# Allegro board Coral-Dev-Board-baseboard-layout-Allegro.brd (continued)
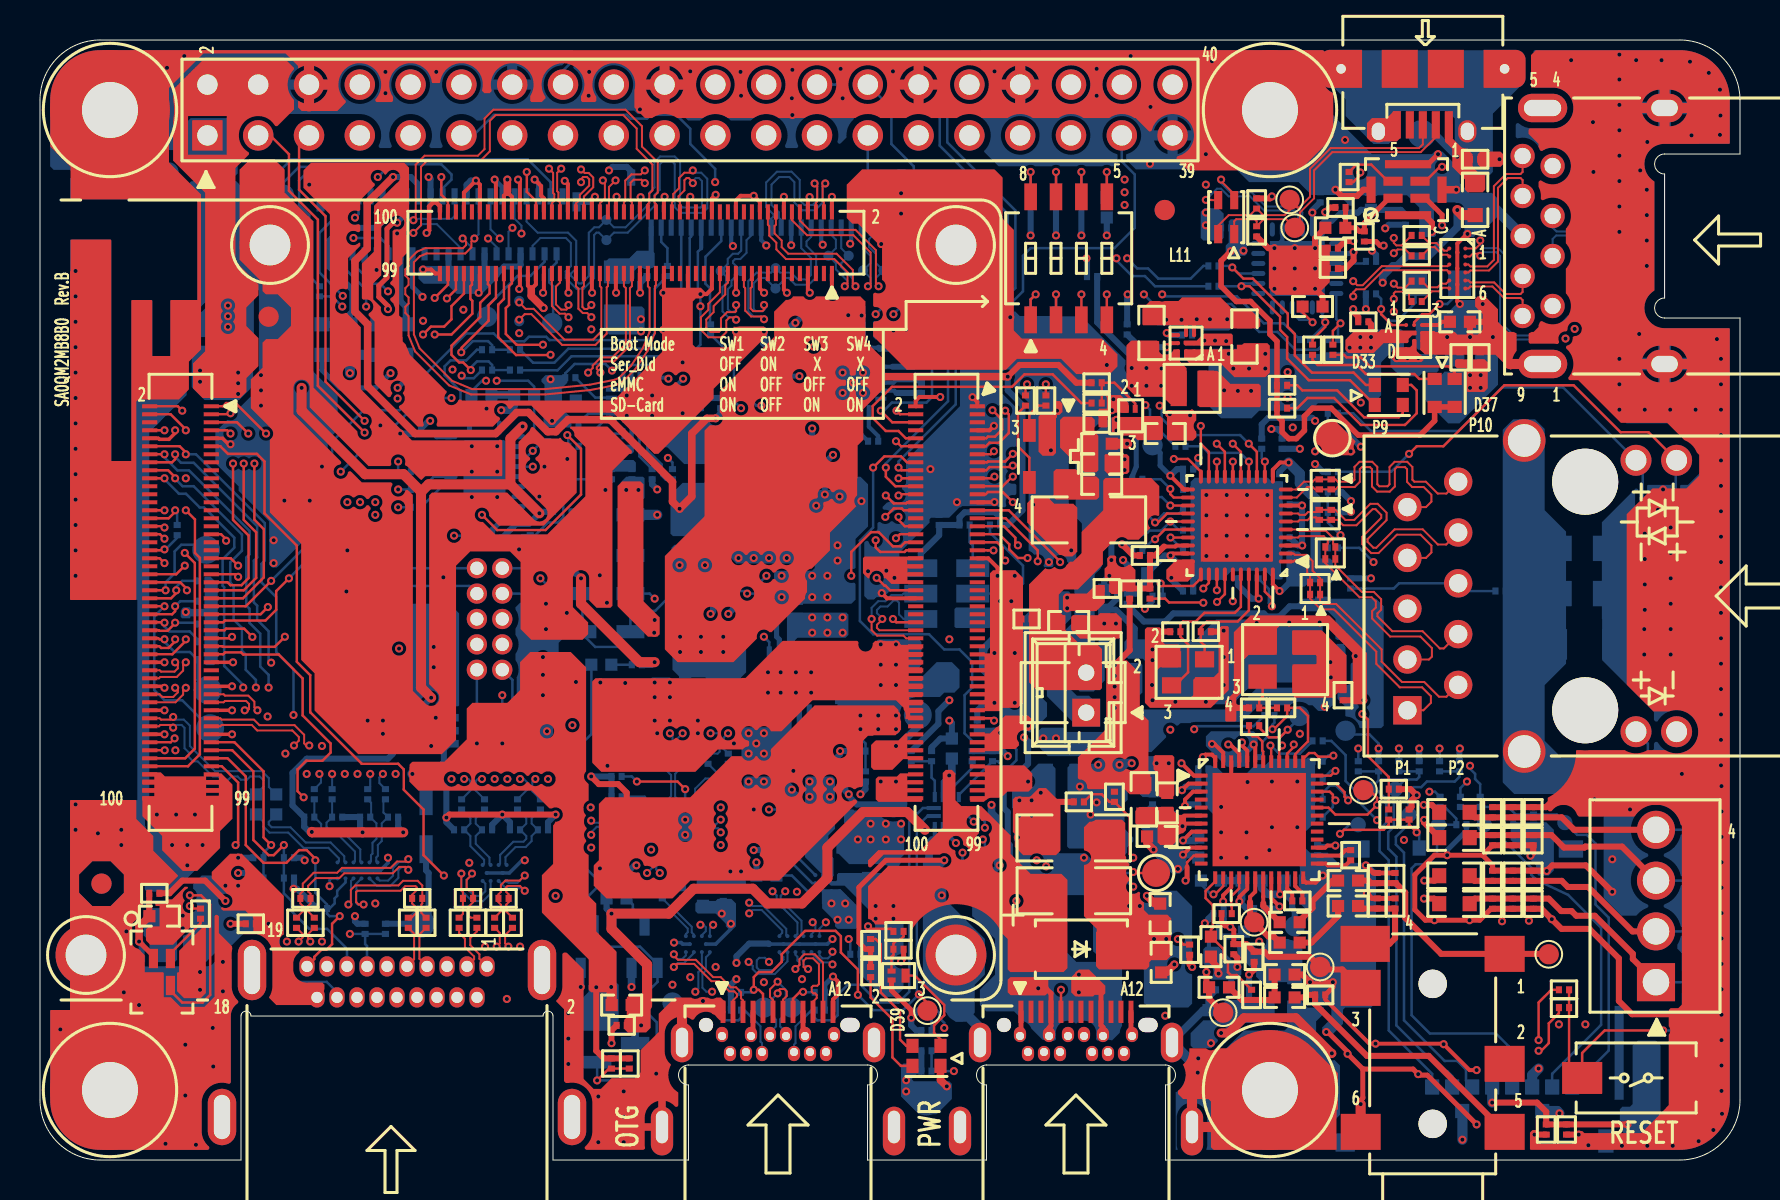
[diagram p0: board, top side]
## Routing (per net, layer and track width the routed paths; a pad name or vN(x,y) marks a point on that pad's centre or on a via; arc(x,y) is an arc through that point) (continued)
CC1: length 25.9
  TOP w0.127: v1(40.89,8.26) 40.89,9.53 40.04,10.38 40.04,11.19 39.78,11.46 38.25,11.46 37.08,10.29 37.08,9.91 36.58,9.4 35.94,9.4 35.69,9.14 v1(35.69,8.51) 35.94,8.51 36.15,8.3 J1.A5 ; TP26.1 44.37,7.85 v1(43.94,8.28)
  BOTTOM w0.127: U9.1 44.38,17.2 43.84,16.66 43.84,8.38 v1(43.94,8.28) 43.15,7.49 41.66,7.49 v1(40.89,8.26) ; v1(35.69,8.51) 35.56,8.38 ESD1.2
CC2: length 19.7
  BOTTOM w0.102: 38.12,7.03 37.78,6.69 37.78,5.84 37.7,5.77 J1.B5
  BOTTOM w0.127: U9.2 44.14,17.6 43.46,16.92 43.46,8.41 42.93,7.87 41.91,7.87 41.02,8.76 40.39,8.76 39.88,8.26 39.88,7.24 39.62,6.99 38.86,6.99 38.74,7.11 ESD2.2 38.58,7.49 38.12,7.03
CON_DET: length 2.2
  BOTTOM w0.127: U9.5 45.54,18.54 46.61,19.61 R4.1
CPN1: length 1.3
  TOP w0.203: C14.1 63.12,13.34 62.76,13.69 U2.23
CPN2: length 1.8
  TOP w0.203: U2.26 65,15.22 65.28,15.49 C15.1
CPP1: length 1.3
  TOP w0.203: C14.2 62.61,13.31 62.36,13.56 U2.22
CPP2: length 1.8
  TOP w0.203: U2.25 64.3,14.82 64.39,14.73 65.28,14.73 C15.2
CPVEE: length 1.9
  TOP w0.203: U2.27 64.26,15.62 64.37,15.72 v1(64.77,15.72)
  BOTTOM w0.127: C9.1 64.75,15.75 v1(64.77,15.72)
CPVPP: length 2.4
  TOP w0.203: v1(61.98,12.67) 61.56,13.09 U2.20
  BOTTOM w0.305: C6.1 61.87,12.57 v1(61.98,12.67)
DCDC_3V3: length 2.1
  BOTTOM w0.381: TP48.1 43.89,21.67 42.93,20.7 v1(42.8,20.7)
DCDC_5V: length 10.4
  TOP w0.203: v1(58.6,20.8) 58.73,20.8 59.16,20.37 U2.47 ; v1(60.68,20.78) 60.76,20.7 U2.43
  BOTTOM w0.305: R25.2 52.86,41.88 54.58,40.16 v1(54.58,39.6) ; R122.2 34.67,27.56 v1(34.42,27.3)
  BOTTOM w0.508: v1(15.49,39.34) R148.2 R149.2
  vias: v1(5.84,17.27) v1(6.6,15.75) v1(6.81,17.27) v1(7.37,15.75) v1(7.37,14.73) v1(7.75,17.27) v1(8.13,15.75) v1(9.4,42.72) v1(9.4,42.19) v1(9.4,41.66) v1(29.31,33.5) v1(29.92,33.5) v1(30.73,27) v1(30.71,26.37) v1(34.93,30.1) v1(35.43,21.34) v1(35.43,20.32) v1(35.69,30.1) v1(35.81,20.83) v1(36.2,21.34) v1(36.2,20.32) v1(36.45,30.1) v1(37.34,30.1) v1(38.61,27.13) v1(38.61,26.37) v1(39.37,27.13) v1(39.37,26.37) v1(40.13,27.13) v1(40.13,26.37) v1(51.99,18.67) v1(52.53,17.27) v1(52.83,17.88) v1(52.91,19.76) v1(53.21,26.82) v1(53.8,26.82) v1(53.98,19.76) v1(54.23,35.03) v1(54.23,34.5) v1(54.58,38.71) v1(54.58,19.84) v1(55.32,39.6) v1(55.32,38.71) v1(56.08,39.57) v1(56.06,38.71)
DCDC_5V_CN: length 4.7
  L06_SIG2 w0.305: v1(9.91,15.11) 10.03,14.99 v1(13.23,14.99)
  BOTTOM w0.305: R39.2 13.11,15.11 v1(13.23,14.99) ; R38.2 v1(9.91,15.11)
  vias: v1(9.27,13.72) v1(9.91,13.72) v1(11.43,11.81)
DCDC_5V_FT:
  vias: v1(8,39.47) v1(8,38.91) v1(9.91,39.37) v1(9.91,38.84) v1(9.91,38.3)
DCVDD: length 2
  TOP w0.203: U2.3 57.65,18.42 57.25,18.02 v1(57.25,17.7)
  BOTTOM w0.305: C41.1 57.33,17.78 v1(57.25,17.7)
DISP_LEDA: length 39.8
  TOP w0.381: v1(33.78,37.08) 33.35,37.08 32.59,36.32 32.59,33.17 v1(31.98,32.56) 31.62,32.92 31.62,33.91 28.51,37.02 26.4,37.02 25.8,36.41 25.38,36.41 24.42,37.38 23.84,37.38 22.79,36.32 18.75,36.32 16.38,38.68 16.38,41.78 15.75,42.42 15.75,44.96 16.36,45.57 16.36,47.85 v1(17.65,49.15)
  BOTTOM w0.305: v1(17.65,49.15) 18.54,49.15 18.93,48.76 P3.25 ; v1(33.78,37.08) 34.04,37.34 R134.2
DISP_LEDK1: length 18.8
  L06_SIG2 w0.152: v1(19.13,43.15) 19.13,43.09 19.52,42.7 19.84,42.7 20.47,42.06 21.76,42.06 23.96,39.86 24.04,39.86 25.26,38.63 28.38,38.63 29.22,39.47 31.75,39.47 v1(32.16,39.07)
  BOTTOM w0.203: v1(32.16,39.07) 31.61,38.52 U15.11
  BOTTOM w0.254: P3.26 18.63,43.65 v1(19.13,43.15)
DISP_LEDK2: length 23.3
  TOP w0.254: v1(17.86,46.86) 17.65,46.86 17.35,46.56 17.35,44.12 16.94,43.71 16.94,43.15 17.4,42.7 v1(17.4,42.55)
  L06_SIG2 w0.152: v1(31.42,39.07) 29.39,39.07 28.6,38.28 25.12,38.28 23.88,39.51 23.81,39.51 21.61,41.71 20.33,41.71 19.69,42.34 19.36,42.34 19.15,42.55 v1(17.4,42.55)
  BOTTOM w0.203: U15.10 31.37,39.12 v1(31.42,39.07)
  BOTTOM w0.254: v1(17.86,46.86) 18.33,47.33 P3.27
DISPLAY_I2C_SCL: length 9.9
  L03_SIG1 w0.102: v1(21.08,39.22) 20.57,38.71 v1(20.57,38.1)
  BOTTOM w0.127: v1(21.08,39.22) 21.21,39.09 21.69,39.09 R130.2 ; v1(20.57,38.1) 19.12,38.1 17.53,36.5 17.53,36.07 17.78,35.81 19.3,35.81 19.45,35.67 U20.18
DISPLAY_I2C_SCL_1V8: length 22.1
  L03_SIG1 w0.102: v1(15.75,47.12) 16.17,46.7 16.17,44.03 17.15,43.05 17.65,43.05 17.78,42.93 17.78,41.02 19.61,39.19 19.61,38.35 19.86,38.1 19.86,37.72 20.32,37.26 21.46,37.26 22.83,38.63 v1(22.83,38.96)
  BOTTOM w0.127: U20.3 24.24,35.67 24.71,36.14 R168.1 24.71,38.67 24.41,38.96 v1(22.83,38.96) ; P3.35 15.93,47.3 v1(15.75,47.12)
DISPLAY_I2C_SDA: length 5.8
  BOTTOM w0.127: U20.20 21.48,37.14 21.03,37.59 21.03,38.44 20.23,39.24 20.23,39.69 20.53,39.98 21.31,39.98 21.84,40.51 R133.2
DISPLAY_I2C_SDA_1V8: length 16.6
  L03_SIG1 w0.102: v1(17.4,43.43) 17.86,43.43 18.11,43.18 18.11,41.2 19.91,39.4 19.91,38.48 20.17,38.23 20.17,37.84 20.45,37.57 21.34,37.57 22.3,38.53 v1(22.3,38.96)
  BOTTOM w0.127: v1(22.3,38.96) 22.1,38.96 21.57,38.43 R167.1 21.57,37.74 22.15,37.16 22.66,37.16 22.98,36.84 U20.1 ; P3.36 15.63,44.82 16.64,43.81 17.02,43.81 v1(17.4,43.43)
DMIC_CLK: length 131.3
  TOP w0.127: U3.3 6.52,8.47 7.11,7.87 8.13,7.87 8.51,8.26 8.51,12.78 8.05,13.23 v1(7.49,13.23) ; v1(70.1,49.66) 69.99,49.66 69.27,48.94 U4.3 ; R208.2 60.96,21.62 61.45,21.13 62,21.13 v1(62.38,21.51)
  L06_SIG2 w0.102: v1(70.1,49.66) 66.85,49.66 66.35,50.16 65.84,50.16 65.63,49.96 65.63,48.41 66.17,47.88 67.31,47.88 68.35,46.84 68.35,42.09 67.06,40.79 67.06,34.42 66.42,33.78 66.42,30.63 65.79,30 65.79,28.07 66.29,27.56 66.29,24.23 65.43,23.37 65.43,22.53 65.13,22.23 62.76,22.23 62.38,21.84 v1(62.38,21.51) 62.54,21.51 62.74,21.72 64.95,21.72 65.18,21.49 65.18,21.31 64.8,20.93 64.8,20.73 65.18,20.35 65.18,20.17 66.4,18.95 66.4,17.88 65.81,17.3 63.98,17.3 63.07,18.21 62.69,18.21 62.26,17.78 61.72,17.78 61.29,18.21 59.64,18.21 59.44,18.41 58.52,18.41 57.48,19.46 54.28,19.46 53.11,18.29 52.63,18.29 51.94,17.6 51.94,16.26 51.51,15.82 51.51,14.81 50.72,14.02 48.72,14.02 48.34,13.64 45.69,13.64 45.39,13.94 39.11,13.94 36.52,11.35 32.85,11.35 32.34,11.86 28.33,11.86 24.19,16 13.36,16 12.8,16.56 9.53,16.56 9.09,16.13 9.09,14.76 7.56,13.23 v1(7.49,13.23)
  BOTTOM w0.127: R93.2 61.11,20.29 61.11,20.9 61.34,21.13 62,21.13 v1(62.38,21.51) 62.97,22.1 TP15.1
DMIC_DAT: length 111.6
  TOP w0.127: R210.1 7.62,12.57 v1(7.49,12.7) ; R209.1 65.66,48.9 66.01,49.25 v1(66.01,49.38) ; U2.32 64.42,17.62 64.77,17.27 66.37,17.27 v1(66.85,17.75) 66.85,18.11 66.47,18.49 TP3.1
  L06_SIG2 w0.102: v1(66.01,49.38) 66.04,49.38 66.07,49.4 66.37,49.4 68.71,47.07 68.71,41.91 67.44,40.64 67.44,34.29 66.8,33.66 66.8,30.58 66.17,29.95 66.17,28.32 66.68,27.81 66.68,24.1 65.74,23.16 65.74,21.92 65.51,21.69 65.51,20.37 66.85,19.02 v1(66.85,17.75) 66.09,16.99 63.78,16.99 63.37,17.4 60.96,17.4 60.63,17.07 59.89,17.07 59.5,17.46 59.5,17.77 59.23,18.03 58.47,18.03 57.35,19.15 54.41,19.15 53.21,17.96 53.21,17.02 51.82,15.62 51.82,14.48 51.05,13.72 48.84,13.72 48.46,13.34 45.57,13.34 45.26,13.64 39.24,13.64 36.65,11.05 32.73,11.05 32.22,11.56 28.21,11.56 24.07,15.7 13.23,15.7 12.73,16.21 9.6,16.21 9.4,16 9.4,14.64 8.64,13.87 8.64,13.72 7.62,12.7 v1(7.49,12.7)
DSI_RESETB: length 21.7
  L03_SIG1 w0.102: v1(24.64,35.46) 24.23,35.46 22.73,36.96 20.19,36.96 19.56,37.59 19.56,37.97 19.3,38.23 19.3,39.01 16.89,41.43 16.89,42.67 16.36,43.2 v1(15.14,43.2)
  BOTTOM w0.127: v1(15.14,43.2) 13.97,44.37 13.97,46.35 14.73,47.11 P3.39 ; R196.2 25.12,35.94 v1(24.64,35.46) 24.35,35.17 U20.4
DSI_TE: length 38.9
  L03_SIG1 w0.102: v1(16.89,49.15) 16.64,49.15 14.99,47.5 14.99,44.46 13.84,43.31 13.84,38.1 14.48,37.47 16.89,37.47 17.53,36.83 17.53,35.84 18.72,34.65 18.72,33.2 v1(20.7,31.22)
  BOTTOM w0.127: U20.7 25.77,33.67 26.16,33.27 26.16,32.13 25.91,31.88 25.4,31.88 24.77,31.24 R197.2 24.1,31.24 23.47,30.61 22.35,30.61 21.74,31.22 v1(20.7,31.22) ; P3.21 20.13,48.58 20.57,49.02 20.57,49.28 20.07,49.78 17.53,49.78 v1(16.89,49.15)
DSI_TS_NINT: length 17.4
  L03_SIG1 w0.102: v1(24.64,34.67) 24.52,34.67 22.73,36.45 19.3,36.45 19,36.75 19,38.89 16.31,41.58 v1(16.31,42.67)
  BOTTOM w0.127: v1(16.31,42.67) 16.31,43.51 15.03,44.79 P3.38 ; U20.5 v1(24.64,34.67)
DSI_VSP_EN: length 41.5
  TOP w0.127: v1(22.1,32.26) 22.86,31.5 25.27,31.5 27.05,33.27 27.05,35.56 v1(26.37,36.25)
  L03_SIG1 w0.102: v1(15.11,42.67) 15.11,42.34 18.69,38.76 18.69,36.55 20.06,35.18 20.06,34.04 21.84,32.26 v1(22.1,32.26)
  L06_SIG2 w0.102: v1(26.37,36.25) 26.62,35.99 32.11,35.99 34.16,38.05 35.74,38.05 v1(36.07,37.72)
  BOTTOM w0.127: v1(15.11,42.67) 14.61,43.18 R190.1 ; R36.1 35.31,39.32 35.18,39.19 35.18,38.35 35.81,37.72 v1(36.07,37.72) ; v1(26.37,36.25) 26.42,36.2 R143.1 26.21,35.69 25.91,35.38 25.91,34.67 25.4,34.17 U20.6
ECSPI1_MISO: length 35.9
  TOP w0.127: v1(10.41,36.32) 9.85,36.89 J1312.5
  L06_SIG2 w0.102: J15.21 32.67,51.23 31.65,50.21 30.81,50.21 30.64,50.39 29.81,50.39 29.34,49.91 28.19,49.91 27.46,49.17 27.46,48.69 27.03,48.26 15.75,48.26 14.91,47.42 14.91,45.31 13.51,43.91 13.51,42.75 11.48,40.72 11.48,37.39 v1(10.41,36.32)
ECSPI1_MOSI: length 33.3
  TOP w0.127: J1312.7 9.36,36.49 v1(9.53,36.32)
  L06_SIG2 w0.102: J15.19 30.15,51.23 29.13,50.21 27.07,50.21 26.64,49.78 26.64,48.74 26.47,48.56 15.55,48.56 14.53,47.55 14.53,45.36 13.21,44.04 13.21,42.88 10.67,40.34 10.67,37.21 9.78,36.32 v1(9.53,36.32)
ECSPI1_SCLK: length 49.6
  TOP w0.127: J1312.4 6.53,37.29 7.29,36.53 v1(7.29,36.49)
  L03_SIG1 w0.102: v1(7.29,36.49) 7.63,36.83 11.05,36.83 11.81,37.59 11.81,43.23 13.59,45 13.59,48.13 14.54,49.09 14.54,54.65 15.06,55.17 21.97,55.17 22.28,54.86 29.36,54.86 29.96,54.27 29.96,53.2 30.66,52.5 35.04,52.5 J15.23
ECSPI1_SS0: length 46.8
  TOP w0.127: J1312.8 v1(6.22,36.49)
  L06_SIG2 w0.102: v1(6.22,36.49) 6.22,37.11 7.26,38.16 7.26,40.31 8.71,41.76 8.71,48.59 10.19,50.06 11.4,50.06 11.99,50.65 11.99,54.15 12.97,55.14 29.72,55.14 29.99,54.86 35.22,54.86 J15.24
ECSPI1_SS1: length 30.9
  TOP w0.127: J1310.6 42.62,36.89 v1(42.04,37.47)
  BOTTOM w0.127: J15.26 39.8,53.77 40.89,54.86 44.58,54.86 44.98,54.46 44.98,50.72 48.39,47.32 48.39,43.75 44.6,39.97 44.6,38.15 44.32,37.87 42.6,37.87 42.19,37.47 v1(42.04,37.47)
ECSPI2_MISO: length 35.9
  TOP w0.127: v1(9.53,37.34) 9.47,37.29 J1312.3
  L06_SIG2 w0.102: J15.22 32.71,52.7 30.36,52.7 30.16,52.91 29.67,52.91 29.34,52.58 28.6,52.58 27.56,51.54 27.56,51.2 26.57,50.21 24.61,50.21 23.93,49.53 15.75,49.53 14.15,47.93 14.15,45.41 12.9,44.17 12.9,43.07 10.36,40.53 10.36,38.18 v1(9.53,37.34)
ECSPI2_SCLK: length 37.9
  TOP w0.127: J1312.2 6.89,37.69 v1(7.11,37.47)
  L06_SIG2 w0.102: J15.18 28.69,54.59 28.45,54.83 15.08,54.83 14.73,54.48 14.73,53.47 13.97,52.7 13.34,52.7 12.32,51.69 12.32,50.55 11.48,49.71 10.41,49.71 9.02,48.31 9.02,41.63 7.57,40.18 7.57,37.92 v1(7.11,37.47)
ECSPI2_SS0: length 56.6
  TOP w0.127: J1312.1 9.14,37.69 9.31,37.85 9.78,37.85 v1(11.3,36.32)
  L06_SIG2 w0.102: J15.36 50.49,52.7 36.07,52.7 35.18,51.82 35.18,50.8 34.54,50.16 32.51,50.16 32.26,49.91 30.68,49.91 30.51,50.08 29.99,50.08 29.59,49.68 29.59,48.26 29.11,47.78 27.51,47.78 27.43,47.85 15.85,47.85 15.29,47.29 15.29,45.26 13.82,43.79 13.82,42.42 11.79,40.38 11.79,36.8 v1(11.3,36.32)
ECSPI2_SS1: length 34.3
  TOP w0.127: J1310.4 43,37.29 v1(42.82,37.47)
  L06_SIG2 w0.102: v1(17.91,33.53) 19.69,35.31 23.03,35.31 24.4,33.93 27.05,33.93 27.39,34.28 32.66,34.28 34.61,36.22 37.64,36.22 39.78,34.09 41.1,34.09 41.4,33.78 42.55,33.78 42.67,33.66 43.18,33.66 43.31,33.78 43.31,36.98 v1(42.82,37.47)
  BOTTOM w0.127: R171.2 v1(17.91,33.53)
EN_1P8: length 6
  BOTTOM w0.127: U12.6 38.47,22.24 39.73,20.98 41.12,20.98 41.28,20.83 R127.1 R126.2 R17.1
EN_3P3: length 5.8
  L06_SIG2 w0.102: v1(36.2,26.16) 36.2,27.48 v1(35.36,28.32)
  BOTTOM w0.127: v1(36.2,26.16) 36.47,25.89 U12.1 ; R13.1 R122.1 35.23,28.45 v1(35.36,28.32) R125.1
ENET_AVDD10: length 15.5
  TOP w0.203: U18.3 v1(63.11,30.72) ; U18.8 v1(63.1,32.72) ; v1(60.93,28.07) 60.84,28.16 U18.38
  L06_SIG2 w0.305: v1(60.93,28.07) 60.93,28.93 62.41,30.4 62.79,30.4 v1(63.11,30.72)
  L06_SIG2 w0.381: v1(63.1,32.72) 63.1,35.45 v1(62.99,35.56)
  BOTTOM w0.305: v1(60.93,28.07) 60.58,28.07 59.89,28.75 C78.1 ; 63.1,30.73 v1(63.1,32.72) 63.06,32.77 C77.1 ; 63.1,30.73 62.89,30.73 62.51,31.11 C79.1 ; 63.1,30.73 v1(63.11,30.72) ; R65.2 v1(62.99,35.56)
ENET_AVDD33: length 10.5
  TOP w0.203: U18.40 61.64,28.78 v1(61.98,28.45) ; U18.11 61.64,34.52 62,34.87 v1(62.43,34.87)
  BOTTOM w0.305: v1(62.43,34.87) 61.98,34.42 C66.1 ; C133.1 C65.1 62.48,28.88 62.05,28.45 v1(61.98,28.45)
  BOTTOM w0.508: 63.78,30 63.78,33.05 62.99,33.83 62.99,34.32 v1(62.43,34.87)
ENET_DVDD10: length 4.8
  TOP w0.203: v1(56.52,34.21) 57.2,33.52 U18.21
  BOTTOM w0.254: v1(56.52,34.21) 56.01,34.72 56.01,35.36 TP47.1
  BOTTOM w0.305: C76.1 R53.2 56.85,34.54 v1(56.52,34.21)
ENET_LDO_OUT: length 13.6
  L03_SIG1 w0.381: v1(61.57,36.55) 58.8,36.55 57.91,35.66 v1(57.91,35.1) 57.05,34.24 57.05,29.59 v1(56.57,29.11)
  BOTTOM w0.305: C73.1 56.59,29.01 56.59,29.08 v1(56.57,29.11) ; R53.1 57.91,34.8 v1(57.91,35.1) ; R65.1 62.1,36.32 61.87,36.55 v1(61.57,36.55)
ENET_MDC: length 30.9
  TOP w0.127: R63.1 56.26,28.07 56.45,27.88 58.15,27.88 v1(58.17,27.86) ; v1(48.26,37.47) 48.44,37.29 48.44,36.35 47.96,35.86 47.47,35.86 47.29,35.69 J1310.11
  L06_SIG2 w0.102: v1(58.17,27.86) 57.77,28.26 57.77,33.52 58.29,34.04 58.67,34.04 59.13,34.49 59.89,34.49 60.05,34.65 60.05,36.22 59.69,36.58 58.73,36.58 57.58,37.72 v1(55.98,37.72) 55.6,37.34 55.09,37.34 54.52,37.91 54.39,37.91 53.87,38.43 52.65,38.43 52.27,38.05 49.91,38.05 49.58,37.72 48.51,37.72 v1(48.26,37.47)
  BOTTOM w0.127: v1(55.98,37.72) 56.08,37.62 56.08,37.09 56.47,36.7 56.77,36.7
ENET_MDIO: length 13.8
  TOP w0.127: J1310.9 47.31,36.09 47.4,36.17 47.75,36.17 48.11,36.53 48.11,37.01 v1(47.63,37.49)
  L06_SIG2 w0.102: v1(55.27,37.74) 54.79,38.23 54.51,38.23 54,38.73 51.44,38.73 51.05,38.35 49.66,38.35 49.4,38.1 48.23,38.1 v1(47.63,37.49)
  BOTTOM w0.127: v1(55.27,37.74) 55.5,37.52 55.5,36.96 56.77,35.69
ENET_NINT: length 53.7
  TOP w0.127: J1312.39 9.54,30.09 v1(9.91,29.72) ; U18.31 58.04,29.09 57.66,28.7 56.16,28.7 v1(56.03,28.83)
  L06_SIG2 w0.102: v1(56.03,28.83) 55.27,29.59 51.72,29.59 51.34,29.21 50.55,29.21 49.78,28.45 46.23,28.45 45.95,28.73 41.3,28.73 41.1,28.52 35.96,28.52 34.26,30.23 24.81,30.23 24.08,30.96 21.01,30.96 20.52,30.48 15.91,30.48 15.32,31.06 14.05,31.06 13.46,30.48 11.71,30.48 10.95,29.72 v1(9.91,29.72)
  BOTTOM w0.127: v1(56.03,28.83) 56.13,28.73 R61.1
ENET_NRST: length 66.3
  TOP w0.127: J1312.43 9.78,29.29 v1(9.91,29.16) ; U18.12 v1(61.24,34.92)
  L06_SIG2 w0.102: v1(9.91,29.16) 10.47,29.16 11.22,28.41 13.85,28.41 14.4,28.96 15.88,28.96 16.71,29.79 20.78,29.79 21.34,30.35 23.52,30.35 23.95,29.92 31.26,29.92 31.82,29.36 33.12,29.36 35.81,26.67 35.81,26 36.07,25.75 40.26,25.75 40.67,26.16 44.42,26.16 44.93,25.65 45.72,25.65 47.17,27.1 51.99,27.1 52.32,27.43 54.36,27.43 54.86,26.92 55.75,26.92 56.13,27.3 58.93,27.3 59.26,27.64 59.26,29.01 58.8,29.46 58.8,33.4 59.56,34.16 60.48,34.16 v1(61.24,34.92)
  BOTTOM w0.127: v1(61.24,34.92) 61.09,35.08 R62.1
ENET_RD0: length 15.2
  TOP w0.127: v1(49.38,30.1) 48.9,30.1 48.46,30.53 48.46,30.78 47.96,31.29 J1310.33 ; U18.25 v1(56.52,31.92)
  L03_SIG1 w0.102: v1(56.52,31.92) 56.36,31.92 55.93,31.5 55.5,31.5 55.17,31.17 52.81,31.17 52.71,31.06 52.71,30.71 52.61,30.61 52.41,30.61 52.3,30.71 52.3,31.06 52.2,31.17 51.54,31.17 50.95,30.58 49.86,30.58 v1(49.38,30.1)
  BOTTOM w0.127: R140.2 55.37,31.37 55.47,31.47 56.06,31.47 v1(56.52,31.92) 56.94,31.5 R85.2
ENET_RD1: length 14.6
  TOP w0.127: U18.24 56.35,32.32 55.91,31.88 v1(55.75,31.88) ; v1(48.26,29.97) 48.13,30.1 48.13,30.61 47.86,30.89 J1310.35
  L03_SIG1 w0.102: v1(55.75,31.88) 51.66,31.88 50.67,30.89 49.61,30.89 48.69,29.97 v1(48.26,29.97)
  BOTTOM w0.127: R177.2 55.37,32.26 v1(55.75,31.88) 56.21,32.33 56.97,32.33 R86.2
ENET_RD2: length 14.3
  TOP w0.127: J1310.31 48.2,31.69 48.77,31.11 48.77,30.86 v1(48.9,30.73) ; U18.23 v1(56.52,32.72)
  L03_SIG1 w0.102: v1(48.9,30.73) 49.02,30.73 49.48,31.19 50.5,31.19 52.03,32.72 54.4,32.72 54.5,32.62 54.5,32.28 54.6,32.18 54.8,32.18 54.9,32.28 54.9,32.62 55.01,32.72 v1(56.52,32.72)
  BOTTOM w0.127: v1(56.52,32.72) 56.09,33.15 R178.2
ENET_RD3: length 13.7
  TOP w0.127: U18.22 56.68,33.12 56.52,33.29 v1(56.52,33.55) ; J1310.37 47.39,30.49 47.4,30.48 v1(47.68,30.48)
  L03_SIG1 w0.102: v1(56.52,33.55) 52.35,33.55 50.29,31.5 48.69,31.5 v1(47.68,30.48)
  BOTTOM w0.127: R83.2 56.03,34.04 v1(56.52,33.55)
ENET_RX_CTL: length 13.5
  TOP w0.127: U18.26 56.24,31.52 v1(55.75,31.04) ; v1(49.89,29.94) 49.89,30.48 48.28,32.09 J1310.29
  L03_SIG1 w0.102: v1(55.75,31.04) 55.12,30.4 53.39,30.4 53.01,30.02 51.44,30.02 51.18,30.28 50.23,30.28 v1(49.89,29.94)
  BOTTOM w0.127: v1(55.75,31.04) 55.68,31.04 R81.2
ENET_RXC: length 13.3
  TOP w0.127: v1(51,29.9) 51,29.92 48.44,32.49 J1310.27 ; U18.27 v1(56.52,31.12)
  L03_SIG1 w0.102: v1(56.52,31.12) 55.02,29.62 51.28,29.62 v1(51,29.9)
  BOTTOM w0.127: R82.2 57.15,30.5 v1(56.52,31.12)
ENET_TD0: length 16.7
  TOP w0.127: U18.18 v1(58.84,34.92) ; v1(47.72,34.17) 47.64,34.09 J1310.19
  L06_SIG2 w0.102: v1(58.84,34.92) 58.52,34.6 58.12,34.6 56.69,33.17 55.65,33.17 54.23,31.75 49.98,31.75 49.87,31.85 49.87,32.23 49.77,32.33 49.57,32.33 49.47,32.23 49.47,31.85 49.37,31.75 49.02,31.75 48.13,32.64 48.13,33.27 47.72,33.69 v1(47.72,34.17)
ENET_TD1: length 16.9
  TOP w0.127: v1(58.84,35.81) 59.24,35.41 U18.17 ; v1(48.64,34.17) 48.61,34.17 48.13,33.69 J1310.21
  L06_SIG2 w0.102: v1(58.84,35.81) 56.39,35.81 54.53,33.96 53.34,33.96 53.13,34.17 51.36,34.17 51.26,34.27 51.26,34.52 51.16,34.62 50.95,34.62 50.85,34.52 50.85,34.27 50.75,34.17 50.55,34.17 50.44,34.27 50.44,34.54 50.34,34.65 50.14,34.65 50.04,34.54 50.04,34.27 49.94,34.17 49.73,34.17 49.63,34.27 49.63,34.54 49.53,34.65 49.33,34.65 49.22,34.54 49.22,34.27 49.12,34.17 v1(48.64,34.17)
ENET_TD2: length 16.3
  TOP w0.127: v1(48.64,34.72) 48.57,34.65 47.47,34.65 47.31,34.49 J1310.17 ; U18.16 v1(59.64,34.92)
  L06_SIG2 w0.102: v1(59.64,34.92) 59.21,35.36 58.26,35.36 58.13,35.48 56.54,35.48 56.19,35.13 56.19,34.85 55.13,33.79 54.85,33.79 54.71,33.66 48.51,33.66 48.13,34.04 48.13,34.21 v1(48.64,34.72)
ENET_TD3: length 16.2
  TOP w0.127: v1(59.64,35.81) 60.04,35.41 U18.15 ; v1(48.64,35.31) 48.26,34.92 47.4,34.92 47.36,34.89 J1310.15
  L06_SIG2 w0.102: v1(48.64,35.31) 48.9,35.05 49.59,35.05 49.69,35.15 49.69,35.41 49.79,35.51 49.99,35.51 50.1,35.41 50.1,35.15 50.2,35.05 53.59,35.05 53.98,35.43 55,35.43 55.76,36.2 59.26,36.2 v1(59.64,35.81)
ENET_TX_CTL: length 16.4
  TOP w0.127: J1310.13 47.54,35.29 v1(47.7,35.44) ; U18.19 58.44,35.41 58.04,35.81 v1(58.04,36.7)
  L06_SIG2 w0.102: v1(47.7,35.44) 48.33,36.07 51.7,36.07 51.8,35.97 51.8,35.66 51.9,35.56 52.1,35.56 52.2,35.66 52.2,35.97 52.31,36.07 52.83,36.07 53.21,35.69 53.59,35.69 54.46,36.55 56.64,36.55 56.76,36.67 56.76,37.02 56.88,37.13 57.05,37.13 57.17,37.02 57.17,36.67 57.29,36.55 57.89,36.55 v1(58.04,36.7)
ENET_TXC: length 16.3
  TOP w0.127: v1(48.64,32.89) 48.13,33.4 47.4,33.4 47.28,33.29 J1310.23 ; U18.20 58.04,34.41 57.4,35.05 v1(56.69,35.05)
  L06_SIG2 w0.102: v1(56.69,35.05) 56.69,34.93 55.04,33.27 52.48,33.27 52.38,33.17 52.38,32.72 52.28,32.61 52.08,32.61 51.98,32.72 51.98,33.17 51.87,33.27 51.67,33.27 51.57,33.17 51.57,32.74 51.47,32.64 51.26,32.64 51.16,32.74 51.16,33.17 51.06,33.27 50.86,33.27 50.76,33.17 50.76,32.61 50.65,32.51 50.45,32.51 50.35,32.61 50.35,33.17 50.25,33.27 49.02,33.27 v1(48.64,32.89)
ENET_XTLI: length 8.7
  TOP w0.127: Y2.3 56.75,23.73 57.4,24.38 57.4,25.78 57.02,26.16 57.02,26.8 57.15,26.92 57.79,26.92 58.22,27.36 59.74,27.36 60.04,27.66 U18.36
ENET_XTLO: length 6.2
  TOP w0.127: U18.37 60.44,27.48 59.88,26.92 58.34,26.92 58.04,26.62 C80.1 58.04,25.91 58.23,25.72 Y2.1
ESD_SPOL_N: length 12.6
  TOP w0.305: J9.2 79.63,11.43 77.41,13.65 76.39,13.65 76.09,13.96 C19.2 ESD20.2 C20.1 71.74,13.96 FB8.2
  BOTTOM w0.127: TP9.1 J9.2
ESD_SPOL_P: length 13.3
  TOP w0.305: J9.1 79.64,10.05 79.64,10.31 77.74,12.21 76.82,12.21 76.58,12.45 76.06,12.45 75.44,13.07 C30.1 ESD21.2 C18.2 71.74,13.07 FB7.2
  BOTTOM w0.127: TP10.1 J9.1
ESD_SPOR_N: length 11.8
  TOP w0.305: J9.4 76.71,16.51 76.09,17.13 C123.2 ESD19.2 C126.1 71.74,17.13 FB9.2
  BOTTOM w0.127: TP11.1 J9.4
ESD_SPOR_P: length 12.5
  TOP w0.305: FB10.2 71.61,16.24 C125.1 ESD18.2 C124.2 75.58,16.24 76.2,15.62 77.22,15.62 77.27,15.67 79.1,15.67 J9.3
  BOTTOM w0.127: J9.3 TP14.1
ETH_TRX0_N: length 13.1
  TOP w0.102: J11.P2 70.32,23.16 69.95,23.16 69.22,23.9 68.1,23.9 67.08,24.92 67.08,25.53 64.81,27.8 64.15,27.8 64,27.95 L5.1 L5.2 64,29.09 63.63,29.46 63.63,29.95 63.32,30.26 62.74,30.26 62.67,30.32 U18.2
ETH_TRX0_P: length 13.1
  TOP w0.102: J11.P1 69.17,22.48 69.55,22.86 69.55,23.19 69.1,23.63 67.99,23.63 66.81,24.81 66.81,25.42 64.7,27.53 64.04,27.53 63.5,28.07 L5.4 L5.3 63.5,29.21 63.36,29.35 63.36,29.84 63.21,29.99 62.74,29.99 62.67,29.92 U18.1
ETH_TRX1_N: length 12.9
  TOP w0.102: U18.5 62.91,31.52 62.97,31.46 64.3,31.46 64.66,31.1 64.66,30.81 64.77,30.7 L6.2 L6.1 64.77,29.73 66.09,28.4 66.69,28.4 67.06,28.04 67.06,27.51 66.87,27.33 66.87,27.18 67.62,26.44 69.13,26.44 69.99,25.58 70.19,25.58 J11.P4
ETH_TRX1_P: length 13
  TOP w0.102: U18.4 62.91,31.12 62.97,31.19 64.19,31.19 64.39,30.99 64.39,30.83 64.27,30.7 L6.3 L6.4 64.27,29.85 65.98,28.14 66.58,28.14 66.79,27.93 66.79,27.62 66.61,27.44 66.61,27.07 67.51,26.17 69.02,26.17 69.6,25.6 69.6,25.17 69.45,25.02 J11.P3
ETH_TRX2_N: length 13.3
  TOP w0.102: J11.P8 70.31,30.78 69.89,30.78 69.14,31.53 67.73,31.53 66.81,30.61 66.67,30.61 66.38,30.9 66.38,31.05 67.33,32 67.33,32.36 66.88,32.81 66.52,32.81 65.71,32 65.27,32 64.76,32.51 L7.1 L7.2 63.91,32.51 63.8,32.4 63.4,32.4 63.26,32.26 62.97,32.26 62.91,32.32 U18.7
ETH_TRX2_P: length 13.2
  TOP w0.102: J11.P7 69.3,30.1 69.57,30.38 69.57,30.72 69.03,31.27 67.84,31.27 66.92,30.35 66.56,30.35 66.11,30.79 66.11,31.16 67.06,32.11 67.06,32.25 66.77,32.54 66.63,32.54 65.82,31.74 65.16,31.74 64.89,32.01 L7.4 L7.3 63.91,32.01 63.79,32.13 63.51,32.13 63.37,31.99 62.97,31.99 62.91,31.92 U18.6
ETH_TRX3_N: length 13
  TOP w0.102: U18.10 62.81,33.52 63.2,33.92 63.63,33.92 63.75,34.03 L1.2 L1.1 64.77,34.03 64.89,33.92 65.62,33.92 65.72,34.02 65.72,34.65 65.98,34.91 66.61,34.91 66.87,34.65 66.87,33.79 66.97,33.68 67.37,33.68 67.48,33.79 67.48,34.65 67.73,34.91 68.36,34.91 68.62,34.65 68.62,34.02 68.72,33.92 69.29,33.92 69.89,33.32 70.32,33.32 J11.P10
ETH_TRX3_P: length 13
  TOP w0.102: U18.9 62.84,33.12 63.37,33.65 63.63,33.65 63.75,33.53 L1.3 L1.4 64.77,33.53 64.89,33.65 65.73,33.65 65.99,33.91 65.99,34.54 66.09,34.65 66.5,34.65 66.6,34.54 66.6,33.68 66.86,33.42 67.48,33.42 67.74,33.68 67.74,34.54 67.84,34.64 68.25,34.64 68.35,34.54 68.35,33.91 68.61,33.65 69.18,33.65 69.57,33.26 69.57,32.92 69.3,32.64 J11.P9
FB_1P8: length 3
  BOTTOM w0.254: U12.7 37.97,21.72 38.23,21.46 R128.2
  BOTTOM w0.305: R128.2 R124.2
FB_3P3: length 2.7
  BOTTOM w0.254: R123.1 36.83,26.16 36.97,26.03 U12.2
  BOTTOM w0.305: R121.1 R123.1
FREQ: length 1.9
  BOTTOM w0.127: U15.2 27.41,37.32 R166.2
GPIO6: length 41.7
  TOP w0.127: J1312.49 10.15,28.09 11.19,29.13 11.19,31.54 10.72,32.01 v1(10.72,34.82)
  L03_SIG1 w0.102: v1(10.72,34.82) 12.19,36.3 12.19,43.1 13.97,44.88 13.97,48.01 14.9,48.93 14.9,54.52 15.21,54.84 21.74,54.84 22.34,54.24 22.34,52.5 J15.13
GPIO7: length 53.5
  TOP w0.127: J1312.45 9.38,28.89 9.53,28.74 10.07,28.74 10.43,29.1 10.43,31.23 9.65,32 v1(9.65,34.82)
  L06_SIG2 w0.102: J15.29 42.98,51.23 42.16,50.42 42.16,50.14 39.79,47.77 37.39,47.77 35.51,45.89 35.51,45.59 35.18,45.27 27.3,45.27 27,45.57 20.05,45.57 19.67,45.95 16.44,45.95 14.12,43.63 14.12,42.29 12.09,40.26 12.09,36.12 11.79,35.81 10.29,35.81 9.65,35.18 v1(9.65,34.82)
GPIO8: length 55.7
  TOP w0.127: J1312.47 10.19,28.49 10.81,29.11 10.81,31.39 10.19,32.01 10.19,34.82 v1(10.19,34.82)
  L06_SIG2 w0.102: v1(10.19,34.82) 10.19,35.08 10.54,35.43 11.84,35.43 12.4,35.99 12.4,40.13 14.43,42.16 14.43,43.5 16.57,45.64 19.54,45.64 19.92,45.27 26.87,45.27 27.18,44.96 35.31,44.96 35.81,45.47 35.81,45.76 37.44,47.39 39.84,47.39 42.67,50.21 45.45,50.21 J15.31
GPIO12: length 34
  TOP w0.127: J1312.51 10.29,27.69 v1(11.56,28.96)
  BOTTOM w0.127: R137.1 30.73,43.56 30.73,41.33 30.4,41 25.47,41 25.31,41.16 24.44,41.16 24.22,40.93 23.08,40.93 22.68,41.33 21.31,41.33 18.42,38.43 18.42,37.93 17.97,37.49 16.18,37.49 14.61,35.92 14.61,32 v1(11.56,28.96)
HDMI_AUX_C_N: length 5.4
  BOTTOM w0.102: U10.C2 15.21,14.94 15.21,15.19 14.53,15.88 13.28,15.88 12.52,16.64 11.58,16.64 11.44,16.78 11.44,16.91 C54.2
HDMI_AUX_C_P: length 5.4
  BOTTOM w0.102: U10.C1 14.95,14.95 14.95,15.08 14.42,15.61 13.17,15.61 12.41,16.37 11.47,16.37 11.17,16.67 11.17,16.91 C51.2
HDMI_AUX_N: length 8.9
  TOP w0.102: v1(6.66,22.15) 6.52,22.02 6.05,22.02 5.99,22.09 J1312.80
  BOTTOM w0.102: C54.1 11.44,18.65 11.44,19.1 11.09,19.44 8.75,19.44 7.49,20.7 7.49,21.72 7.19,22.02 6.79,22.02 v1(6.66,22.15)
HDMI_AUX_P: length 8.8
  TOP w0.102: J1312.82 5.95,21.69 6.02,21.75 6.52,21.75 v1(6.66,21.62)
  BOTTOM w0.102: v1(6.66,21.62) 6.79,21.75 7.08,21.75 7.23,21.61 7.23,20.59 7.44,20.38 7.44,20.14 7.66,19.93 7.89,19.93 8.64,19.18 8.94,19.18 9.11,19.01 9.41,19.01 9.57,19.18 9.88,19.18 10.04,19.01 10.35,19.01 10.51,19.18 10.98,19.18 11.18,18.98 11.18,18.67 10.8,18.29 C51.1